# Altium PCB 测试样板PCB.PcbDoc (part 3 of 5)
Units mil, origin at the board's own origin, x right, y up, seen from the top; angles counter-clockwise.
Board outline 3248.03 x 2802.03 mil, 2 copper layers (Top Layer, Bottom Layer); 76 components, 64 nets, 349 pads, 97 vias.
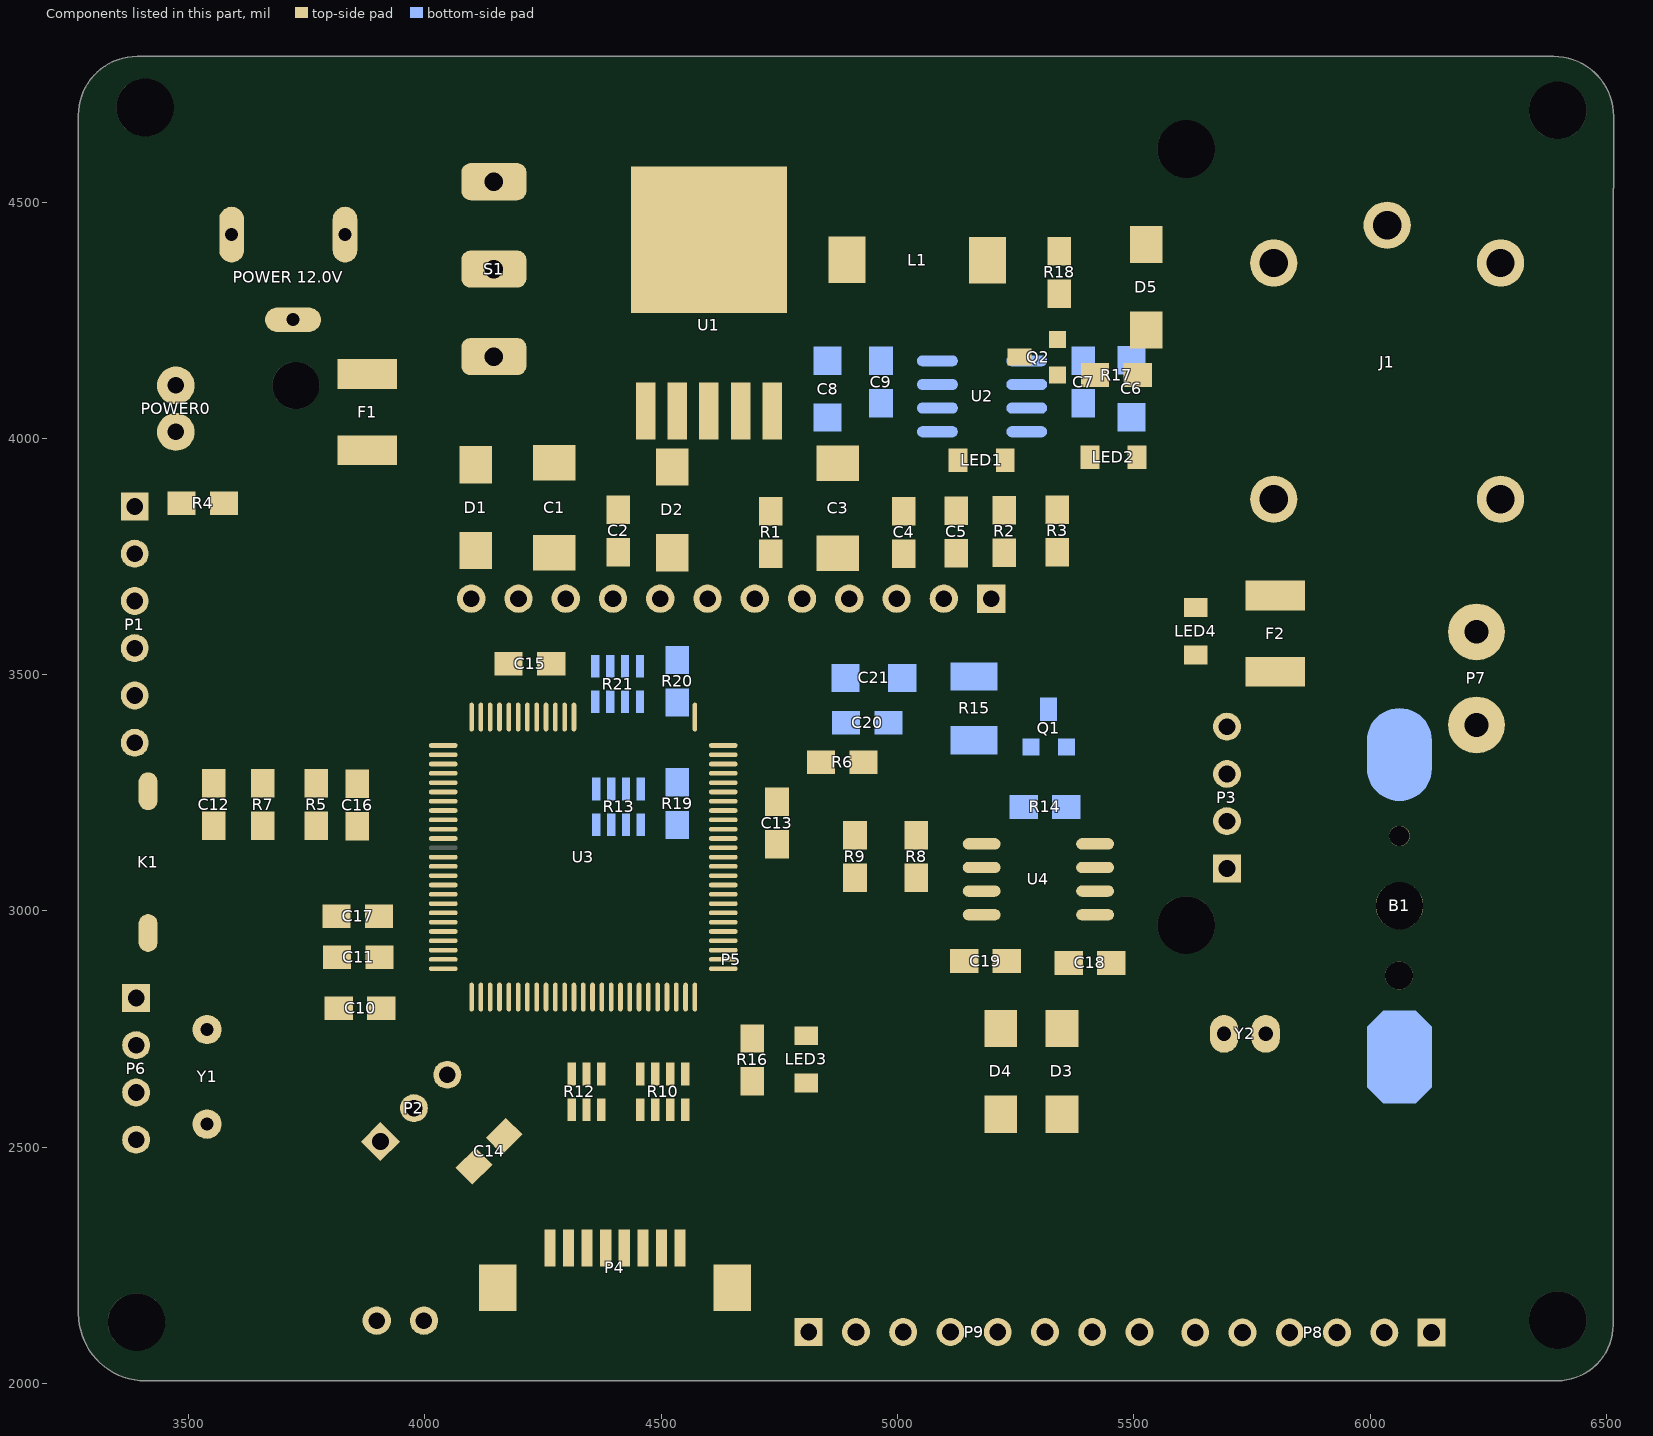
[diagram p3: the components of this part, seen from the top]

## Via types
v1: diameter 25, hole 13, Top Layer to Bottom Layer, 50 vias
v2: diameter 50, hole 28, Top Layer to Bottom Layer, 46 vias
v3: diameter 25, hole 3, Top Layer to Bottom Layer, 1 vias

## Nets (pads, with @x,y where several pads share a name; then routed paths per layer and width w, separated by ;. In a path a pad name is that pad's centre, name@x,y a point inside that pad or via, vN(x,y) a via of type N, cw(c..) or ccw(c..) an arc to the next point about the centre after c; other vN are vias at no path point) (continued)
copper on no net: (continued)
  Top Layer w0.8: 6005,2645.8 6009,2645.8 ; 6005,2646.6 6009.8,2646.6 ; 6005,2683.4 6009.8,2683.4 ; 6005,2684.2 6009.8,2684.2 ; 6005.8,2440.2 6010.6,2440.2 ; 6005.8,2441 6010.6,2441 ; 6005.8,2469 6010.6,2469 ; 6005.8,2469.8 6010.6,2469.8 ; 6005.8,2617 6009.8,2617 ; 6005.8,2617.8 6010.6,2617.8 ; 6005.8,2647.4 6009.8,2647.4 ; 6005.8,2648.2 6010.6,2648.2 ; 6005.8,2685 6012.2,2685 ; 6006.6,2381 6142.6,2381 ; 6006.6,2381.8 6142.6,2381.8 ; 6006.6,2438.6 6011.4,2438.6 ; 6006.6,2439.4 6011.4,2439.4 ; 6006.6,2468.2 6011.4,2468.2 ; 6006.6,2618.6 6011.4,2618.6 ; 6006.6,2619.4 6011.4,2619.4 ; 6006.6,2649 6010.6,2649 ; 6006.6,2649.8 6011.4,2649.8 ; 6006.6,2685.8 6030.6,2685.8 ; 6006.6,2686.6 6025.8,2686.6 ; 6007.4,2380.2 6141.8,2380.2 ; 6007.4,2437.8 6012.2,2437.8 ; 6007.4,2466.6 6012.2,2466.6 ; 6007.4,2467.4 6012.2,2467.4 ; 6007.4,2620.2 6012.2,2620.2 ; 6007.4,2650.6 6012.2,2650.6 ; 6007.4,2687.4 6032.2,2687.4 ; 6008.2,2420.2 6023.4,2420.2 ; 6008.2,2436.2 6013,2436.2 ; 6008.2,2437 6013,2437 ; 6008.2,2465.8 6013,2465.8 ; 6008.2,2621 6012.2,2621 ; 6008.2,2621.8 6013,2621.8 ; 6008.2,2651.4 6012.2,2651.4 ; 6008.2,2652.2 6013,2652.2 ; 6009,2421 6022.6,2421 ; 6009,2435.4 6013.8,2435.4 ; 6009,2464.2 6013.8,2464.2 ; 6009,2465 6013,2465 ; 6009,2622.6 6013.8,2622.6 ; 6009,2623.4 6013.8,2623.4 ; 6009,2653 6013,2653 ; 6009,2653.8 6013.8,2653.8 ; 6009.8,2433.8 6014.6,2433.8 ; 6009.8,2434.6 6014.6,2434.6 ; 6009.8,2462.6 6014.6,2462.6 ; 6009.8,2463.4 6014.6,2463.4 ; 6009.8,2624.2 6014.6,2624.2 ; 6009.8,2654.6 6013.8,2654.6 ; 6009.8,2655.4 6014.6,2655.4 ; 6010.6,2432.2 6015.4,2432.2 ; 6010.6,2433 6015.4,2433 ; 6010.6,2461.8 6015.4,2461.8 ; 6010.6,2625 6014.6,2625 ; 6010.6,2625.8 6015.4,2625.8 ; 6010.6,2656.2 6015.4,2656.2 ; 6010.6,2657 6015.4,2657 ; 6011.4,2431.4 6016.2,2431.4 ; 6011.4,2460.2 6016.2,2460.2 ; 6011.4,2461 6016.2,2461 ; 6011.4,2626.6 6015.4,2626.6 ; 6011.4,2627.4 6016.2,2627.4 ; 6011.4,2657.8 6016.2,2657.8 ; 6012.2,2429.8 6017,2429.8 ; 6012.2,2430.6 6017,2430.6 ; 6012.2,2459.4 6017,2459.4 ; 6012.2,2628.2 6017,2628.2 ; 6012.2,2629 6017,2629 ; 6012.2,2658.6 6016.2,2658.6 ; 6012.2,2659.4 6017,2659.4 ; 6013,2429 6017.8,2429 ; 6013,2457.8 6017.8,2457.8 ; 6013,2458.6 6017,2458.6 ; 6013,2629.8 6017.8,2629.8 ; 6013,2660.2 6017,2660.2 ; 6013,2661 6017.8,2661 ; 6013,2685 6030.6,2685 ; 6013.8,2427.4 6018.6,2427.4 ; 6013.8,2428.2 6017.8,2428.2 ; 6013.8,2456.2 6018.6,2456.2 ; 6013.8,2457 6018.6,2457 ; 6013.8,2630.6 6017.8,2630.6 ; 6013.8,2631.4 6018.6,2631.4 ; 6013.8,2661.8 6018.6,2661.8 ; 6013.8,2662.6 6018.6,2662.6 ; 6014.6,2421.8 6021.8,2421.8 ; 6014.6,2425.8 6019.4,2425.8 ; 6014.6,2426.6 6019.4,2426.6 ; 6014.6,2455.4 6019.4,2455.4 ; 6014.6,2632.2 6018.6,2632.2 ; 6014.6,2633 6019.4,2633 ; 6014.6,2663.4 6019.4,2663.4 ; 6015.4,2425 6020.2,2425 ; 6015.4,2453.8 6020.2,2453.8 ; 6015.4,2454.6 6020.2,2454.6 ; 6015.4,2633.8 6020.2,2633.8 ; 6015.4,2634.6 6020.2,2634.6 ; 6015.4,2664.2 6019.4,2664.2 ; 6015.4,2665 6020.2,2665 ; 6016.2,2423.4 6021,2423.4 ; 6016.2,2424.2 6021,2424.2 ; 6016.2,2453 6021,2453 ; 6016.2,2635.4 6021,2635.4 ; 6016.2,2665.8 6020.2,2665.8 ; 6016.2,2666.6 6021,2666.6 ; 6017,2422.6 6021.8,2422.6 ; 6017,2451.4 6021.8,2451.4 ; 6017,2452.2 6021,2452.2 ; 6017,2636.2 6021,2636.2 ; 6017,2637 6021.8,2637 ; 6017,2667.4 6021.8,2667.4 ; 6017,2668.2 6021.8,2668.2 ; 6017.8,2406.6 6025,2406.6 ; 6017.8,2449.8 6022.6,2449.8 ; 6017.8,2450.6 6022.6,2450.6 ; 6017.8,2637.8 6022.6,2637.8 ; 6017.8,2638.6 6022.6,2638.6 ; 6017.8,2669 6022.6,2669 ; 6018.6,2407.4 6021.8,2407.4 ; 6018.6,2449 6023.4,2449 ; 6018.6,2639.4 6023.4,2639.4 ; 6018.6,2640.2 6023.4,2640.2 ; 6018.6,2669.8 6022.6,2669.8 ; 6018.6,2670.6 6023.4,2670.6 ; 6019.4,2447.4 6024.2,2447.4 ; 6019.4,2448.2 6024.2,2448.2 ; 6019.4,2641 6024.2,2641 ; 6019.4,2671.4 6023.4,2671.4 ; 6019.4,2672.2 6024.2,2672.2 ; 6020.2,2417 6025,2417 ; 6020.2,2417.8 6024.2,2417.8 ; 6020.2,2446.6 6025,2446.6 ; 6020.2,2641.8 6024.2,2641.8 ; 6020.2,2642.6 6025,2642.6 ; 6020.2,2673 6025,2673 ; 6020.2,2673.8 6025,2673.8 ; 6020.2,2674.6 6025.8,2674.6 ; 6020.2,2675.4 6025.8,2675.4 ; 6021,2415.4 6025.8,2415.4 ; 6021,2416.2 6025.8,2416.2 ; 6021,2445 6025.8,2445 ; 6021,2445.8 6025,2445.8 ; 6021,2643.4 6025.8,2643.4 ; 6021,2644.2 6025.8,2644.2 ; 6021,2676.2 6026.6,2676.2 ; 6021.8,2414.6 6026.6,2414.6 ; 6021.8,2443.4 6026.6,2443.4 ; 6021.8,2444.2 6026.6,2444.2 ; 6021.8,2645 6026.6,2645 ; 6021.8,2677 6026.6,2677 ; 6021.8,2677.8 6026.6,2677.8 ; 6022.6,2413 6027.4,2413 ; 6022.6,2413.8 6027.4,2413.8 ; 6022.6,2442.6 6027.4,2442.6 ; 6022.6,2645.8 6026.6,2645.8 ; 6022.6,2646.6 6027.4,2646.6 ; 6022.6,2678.6 6026.6,2678.6 ; 6022.6,2679.4 6026.6,2679.4 ; 6023.4,2411.4 6028.2,2411.4 ; 6023.4,2412.2 6028.2,2412.2 ; 6023.4,2441 6028.2,2441 ; 6023.4,2441.8 6028.2,2441.8 ; 6023.4,2647.4 6027.4,2647.4 ; 6023.4,2648.2 6028.2,2648.2 ; 6023.4,2680.2 6027.4,2680.2 ; 6024.2,2402.6 6033.8,2402.6 ; 6024.2,2410.6 6029,2410.6 ; 6024.2,2440.2 6029,2440.2 ; 6024.2,2649 6029,2649 ; 6024.2,2649.8 6029,2649.8 ; 6024.2,2681 6028.2,2681 ; 6024.2,2681.8 6028.2,2681.8 ; 6025,2409 6029.8,2409 ; 6025,2409.8 6029.8,2409.8 ; 6025,2438.6 6029.8,2438.6 ; 6025,2439.4 6029,2439.4 ; 6025,2650.6 6029.8,2650.6 ; 6025,2682.6 6029,2682.6 ; 6025,2683.4 6029,2683.4 ; 6025.8,2408.2 6030.6,2408.2 ; 6025.8,2437 6030.6,2437 ; 6025.8,2437.8 6030.6,2437.8 ; 6025.8,2651.4 6029.8,2651.4 ; 6025.8,2652.2 6030.6,2652.2 ; 6025.8,2684.2 6029.8,2684.2 ; 6026.6,2406.6 6031.4,2406.6 ; 6026.6,2407.4 6031.4,2407.4 ; 6026.6,2436.2 6031.4,2436.2 ; 6026.6,2653 6030.6,2653 ; 6026.6,2653.8 6031.4,2653.8 ; 6026.6,2686.6 6031.4,2686.6 ; 6027.4,2401.8 6034.6,2401.8 ; 6027.4,2434.6 6032.2,2434.6 ; 6027.4,2435.4 6032.2,2435.4 ; 6027.4,2654.6 6032.2,2654.6 ; 6027.4,2655.4 6032.2,2655.4 ; 6028.2,2433.8 6033,2433.8 ; 6028.2,2656.2 6033,2656.2 ; 6028.2,2688.2 6032.2,2688.2 ; 6029,2432.2 6033.8,2432.2 ; 6029,2433 6033,2433 ; 6029,2657 6033,2657 ; 6029,2657.8 6033.8,2657.8 ; 6029,2689 6033,2689 ; 6029,2689.8 6033,2689.8 ; 6029.8,2430.6 6034.6,2430.6 ; 6029.8,2431.4 6034.6,2431.4 ; 6029.8,2658.6 6034.6,2658.6 ; 6029.8,2659.4 6034.6,2659.4 ; 6029.8,2690.6 6033.8,2690.6 ; 6030.6,2400.2 6035.4,2400.2 ; 6030.6,2401 6034.6,2401 ; 6030.6,2429.8 6035.4,2429.8 ; 6030.6,2617.8 6033.8,2617.8 ; 6030.6,2618.6 6033.8,2618.6 ; 6030.6,2619.4 6033,2619.4 ; 6030.6,2620.2 6033,2620.2 ; 6030.6,2621 6033,2621 ; 6030.6,2621.8 6036.2,2621.8 ; 6030.6,2622.6 6042.6,2622.6 ; 6030.6,2623.4 6048.2,2623.4 ; 6030.6,2660.2 6035.4,2660.2 ; 6030.6,2691.4 6034.6,2691.4 ; 6030.6,2692.2 6034.6,2692.2 ; 6031.4,2398.6 6036.2,2398.6 ; 6031.4,2399.4 6036.2,2399.4 ; 6031.4,2428.2 6036.2,2428.2 ; 6031.4,2429 6036.2,2429 ; 6031.4,2609 6034.6,2609 ; 6031.4,2609.8 6034.6,2609.8 ; 6031.4,2610.6 6033.8,2610.6 ; 6031.4,2611.4 6033.8,2611.4 ; 6031.4,2612.2 6033.8,2612.2 ; 6031.4,2613 6033.8,2613 ; 6031.4,2613.8 6033.8,2613.8 ; 6031.4,2614.6 6033.8,2614.6 ; 6031.4,2615.4 6033.8,2615.4 ; 6031.4,2616.2 6033.8,2616.2 ; 6031.4,2617 6033.8,2617 ; 6031.4,2661 6035.4,2661 ; 6031.4,2661.8 6036.2,2661.8 ; 6031.4,2693 6035.4,2693 ; 6032.2,2397.8 6037,2397.8 ; 6032.2,2427.4 6037,2427.4 ; 6032.2,2601 6035.4,2601 ; 6032.2,2601.8 6034.6,2601.8 ; 6032.2,2602.6 6034.6,2602.6 ; 6032.2,2603.4 6034.6,2603.4 ; 6032.2,2604.2 6034.6,2604.2 ; 6032.2,2605 6034.6,2605 ; 6032.2,2605.8 6034.6,2605.8 ; 6032.2,2606.6 6034.6,2606.6 ; 6032.2,2607.4 6034.6,2607.4 ; 6032.2,2608.2 6034.6,2608.2 ; 6032.2,2662.6 6036.2,2662.6 ; 6032.2,2663.4 6037,2663.4 ; 6032.2,2693.8 6035.4,2693.8 ; 6032.2,2694.6 6036.2,2694.6 ; 6033,2396.2 6037.8,2396.2 ; 6033,2397 6037.8,2397 ; 6033,2425.8 6037.8,2425.8 ; 6033,2426.6 6037,2426.6 ; 6033,2591.4 6036.2,2591.4 ; 6033,2592.2 6036.2,2592.2 ; 6033,2593 6035.4,2593 ; 6033,2593.8 6035.4,2593.8 ; 6033,2594.6 6035.4,2594.6 ; 6033,2595.4 6035.4,2595.4 ; 6033,2596.2 6035.4,2596.2 ; 6033,2597 6035.4,2597 ; 6033,2597.8 6035.4,2597.8 ; 6033,2598.6 6035.4,2598.6 ; 6033,2599.4 6035.4,2599.4 ; 6033,2600.2 6035.4,2600.2 ; 6033,2664.2 6037.8,2664.2 ; 6033,2665 6037.8,2665 ; 6033,2695.4 6037,2695.4 ; 6033,2696.2 6037,2696.2 ; 6033.8,2394.6 6038.6,2394.6 ; 6033.8,2395.4 6038.6,2395.4 ; 6033.8,2424.2 6038.6,2424.2 ; 6033.8,2425 6038.6,2425 ; 6033.8,2583.4 6037,2583.4 ; 6033.8,2584.2 6036.2,2584.2 ; 6033.8,2585 6036.2,2585 ; 6033.8,2585.8 6036.2,2585.8 ; 6033.8,2586.6 6036.2,2586.6 ; 6033.8,2587.4 6036.2,2587.4 ; 6033.8,2588.2 6036.2,2588.2 ; 6033.8,2589 6036.2,2589 ; 6033.8,2589.8 6036.2,2589.8 ; 6033.8,2590.6 6036.2,2590.6 ; 6033.8,2665.8 6038.6,2665.8 ; 6033.8,2697 6037.8,2697 ; 6034.6,2393.8 6039.4,2393.8 ; 6034.6,2423.4 6168.2,2423.4 ; 6034.6,2574.6 6037,2574.6 ; 6034.6,2575.4 6037,2575.4 ; 6034.6,2576.2 6037,2576.2 ; 6034.6,2577 6037,2577 ; 6034.6,2577.8 6037,2577.8 ; 6034.6,2578.6 6037,2578.6 ; 6034.6,2579.4 6037,2579.4 ; 6034.6,2580.2 6037,2580.2 ; 6034.6,2581 6037,2581 ; 6034.6,2581.8 6037,2581.8 ; 6034.6,2582.6 6037,2582.6 ; 6034.6,2666.6 6038.6,2666.6 ; 6034.6,2667.4 6039.4,2667.4 ; 6034.6,2697.8 6037.8,2697.8 ; 6034.6,2698.6 6038.6,2698.6 ; 6035.4,2392.2 6040.2,2392.2 ; 6035.4,2393 6040.2,2393 ; 6035.4,2421.8 6167.4,2421.8 ; 6035.4,2422.6 6168.2,2422.6 ; 6035.4,2565.8 6037.8,2565.8 ; 6035.4,2566.6 6037.8,2566.6 ; 6035.4,2567.4 6037.8,2567.4 ; 6035.4,2568.2 6037.8,2568.2 ; 6035.4,2569 6037.8,2569 ; 6035.4,2569.8 6037.8,2569.8 ; 6035.4,2570.6 6037.8,2570.6 ; 6035.4,2571.4 6037.8,2571.4 ; 6035.4,2572.2 6037.8,2572.2 ; 6035.4,2573 6037.8,2573 ; 6035.4,2573.8 6037.8,2573.8 ; 6035.4,2624.2 6054.6,2624.2 ; 6035.4,2668.2 6039.4,2668.2 ; 6035.4,2669 6040.2,2669 ; 6035.4,2699.4 6039.4,2699.4 ; 6035.4,2700.2 6039.4,2700.2 ; 6036.2,2391.4 6041,2391.4 ; 6036.2,2421 6166.6,2421 ; 6036.2,2556.2 6039.4,2556.2 ; 6036.2,2557 6039.4,2557 ; 6036.2,2557.8 6038.6,2557.8 ; 6036.2,2558.6 6038.6,2558.6 ; 6036.2,2559.4 6038.6,2559.4 ; 6036.2,2560.2 6038.6,2560.2 ; 6036.2,2561 6038.6,2561 ; 6036.2,2561.8 6038.6,2561.8 ; 6036.2,2562.6 6038.6,2562.6 ; 6036.2,2563.4 6038.6,2563.4 ; 6036.2,2564.2 6038.6,2564.2 ; 6036.2,2565 6038.6,2565 ; 6036.2,2669.8 6041,2669.8 ; 6036.2,2670.6 6041,2670.6 ; 6036.2,2701 6040.2,2701 ; 6037,2389.8 6041.8,2389.8 ; 6037,2390.6 6041,2390.6 ; 6037,2419.4 6041.8,2419.4 ; 6037,2420.2 6166.6,2420.2 ; 6037,2547.4 6040.2,2547.4 ; 6037,2548.2 6040.2,2548.2 ; 6037,2549 6039.4,2549 ; 6037,2549.8 6039.4,2549.8 ; 6037,2550.6 6039.4,2550.6 ; 6037,2551.4 6039.4,2551.4 ; 6037,2552.2 6039.4,2552.2 ; 6037,2553 6039.4,2553 ; 6037,2553.8 6039.4,2553.8 ; 6037,2554.6 6039.4,2554.6 ; 6037,2555.4 6039.4,2555.4 ; 6037,2671.4 6042.6,2671.4 ; 6037,2701.8 6040.2,2701.8 ; 6037,2702.6 6041,2702.6 ; 6037,2707.4 6038.6,2707.4 ; 6037.8,2388.2 6042.6,2388.2 ; 6037.8,2389 6042.6,2389 ; 6037.8,2417.8 6042.6,2417.8 ; 6037.8,2418.6 6042.6,2418.6 ; 6037.8,2538.6 6041,2538.6 ; 6037.8,2539.4 6041,2539.4 ; 6037.8,2540.2 6040.2,2540.2 ; 6037.8,2541 6040.2,2541 ; 6037.8,2541.8 6040.2,2541.8 ; 6037.8,2542.6 6040.2,2542.6 ; 6037.8,2543.4 6040.2,2543.4 ; 6037.8,2544.2 6040.2,2544.2 ; 6037.8,2545 6040.2,2545 ; 6037.8,2545.8 6040.2,2545.8 ; 6037.8,2546.6 6040.2,2546.6 ; 6037.8,2672.2 6043.4,2672.2 ; 6037.8,2673 6043.4,2673 ; 6037.8,2703.4 6041.8,2703.4 ; 6038.6,2387.4 6043.4,2387.4 ; 6038.6,2417 6043.4,2417 ; 6038.6,2530.6 6041,2530.6 ; 6038.6,2531.4 6041,2531.4 ; 6038.6,2532.2 6041,2532.2 ; 6038.6,2533 6041,2533 ; 6038.6,2533.8 6041,2533.8 ; 6038.6,2534.6 6041,2534.6 ; 6038.6,2535.4 6041,2535.4 ; 6038.6,2536.2 6041,2536.2 ; 6038.6,2537 6041,2537 ; 6038.6,2537.8 6041,2537.8 ; 6038.6,2673.8 6044.2,2673.8 ; 6038.6,2674.6 6044.2,2674.6 ; 6038.6,2704.2 6041.8,2704.2 ; 6038.6,2705 6042.6,2705 ; 6038.6,2705.8 6043.4,2705.8 ; 6039.4,2385.8 6044.2,2385.8 ; 6039.4,2386.6 6044.2,2386.6 ; 6039.4,2415.4 6044.2,2415.4 ; 6039.4,2416.2 6044.2,2416.2 ; 6039.4,2521 6079.4,2521 ; 6039.4,2521.8 6113.8,2521.8 ; 6039.4,2522.6 6042.6,2522.6 ; 6039.4,2523.4 6041.8,2523.4 ; 6039.4,2524.2 6041.8,2524.2 ; 6039.4,2525 6041.8,2525 ; 6039.4,2525.8 6041.8,2525.8 ; 6039.4,2526.6 6041.8,2526.6 ; 6039.4,2527.4 6041.8,2527.4 ; 6039.4,2528.2 6041.8,2528.2 ; 6039.4,2529 6041.8,2529 ; 6039.4,2529.8 6041.8,2529.8 ; 6039.4,2675.4 6045,2675.4 ; 6039.4,2676.2 6045,2676.2 ; 6039.4,2707.4 6044.2,2707.4 ; 6040.2,2384.2 6045,2384.2 ; 6040.2,2385 6045,2385 ; 6040.2,2414.6 6045,2414.6 ; 6040.2,2520.2 6043.4,2520.2 ; 6040.2,2677 6045.8,2677 ; 6041,2413 6045.8,2413 ; 6041,2413.8 6045,2413.8 ; 6041,2617.8 6060.2,2617.8 ; 6041,2618.6 6074.6,2618.6 ; 6041,2677.8 6046.6,2677.8 ; 6041,2678.6 6046.6,2678.6 ; 6041,2708.2 6044.2,2708.2 ; 6041,2709 6045,2709 ; 6041.8,2411.4 6046.6,2411.4 ; 6041.8,2412.2 6046.6,2412.2 ; 6041.8,2610.6 6045,2610.6 ; 6041.8,2611.4 6044.2,2611.4 ; 6041.8,2612.2 6044.2,2612.2 ; 6041.8,2613 6044.2,2613 ; 6041.8,2613.8 6044.2,2613.8 ; 6041.8,2614.6 6044.2,2614.6 ; 6041.8,2615.4 6044.2,2615.4 ; 6041.8,2616.2 6044.2,2616.2 ; 6041.8,2617 6045.8,2617 ; 6041.8,2625 6061,2625 ; 6041.8,2679.4 6047.4,2679.4 ; 6041.8,2709.8 6045.8,2709.8 ; 6041.8,2710.6 6045.8,2710.6 ; 6042.6,2410.6 6047.4,2410.6 ; 6042.6,2604.2 6045.8,2604.2 ; 6042.6,2605 6045,2605 ; 6042.6,2605.8 6045,2605.8 ; 6042.6,2606.6 6045,2606.6 ; 6042.6,2607.4 6045,2607.4 ; 6042.6,2608.2 6045,2608.2 ; 6042.6,2609 6045,2609 ; 6042.6,2609.8 6045,2609.8 ; 6042.6,2711.4 6046.6,2711.4 ; 6043.4,2379.4 6047.4,2379.4 ; 6043.4,2409 6048.2,2409 ; 6043.4,2409.8 6048.2,2409.8 ; 6043.4,2522.6 6140.2,2522.6 ; 6043.4,2597.8 6046.6,2597.8 ; 6043.4,2598.6 6045.8,2598.6 ; 6043.4,2599.4 6045.8,2599.4 ; 6043.4,2600.2 6045.8,2600.2 ; 6043.4,2601 6045.8,2601 ; 6043.4,2601.8 6045.8,2601.8 ; 6043.4,2602.6 6045.8,2602.6 ; 6043.4,2603.4 6045.8,2603.4 ; 6043.4,2712.2 6046.6,2712.2 ; 6043.4,2713 6047.4,2713 ; 6044.2,2378.6 6046.6,2378.6 ; 6044.2,2408.2 6049,2408.2 ; 6044.2,2591.4 6046.6,2591.4 ; 6044.2,2592.2 6046.6,2592.2 ; 6044.2,2593 6046.6,2593 ; 6044.2,2593.8 6046.6,2593.8 ; 6044.2,2594.6 6046.6,2594.6 ; 6044.2,2595.4 6046.6,2595.4 ; 6044.2,2596.2 6046.6,2596.2 ; 6044.2,2597 6046.6,2597 ; 6044.2,2680.2 6048.2,2680.2 ; 6044.2,2713.8 6048.2,2713.8 ; 6045,2406.6 6049.8,2406.6 ; 6045,2407.4 6049,2407.4 ; 6045,2584.2 6048.2,2584.2 ; 6045,2585 6047.4,2585 ; 6045,2585.8 6047.4,2585.8 ; 6045,2586.6 6047.4,2586.6 ; 6045,2587.4 6047.4,2587.4 ; 6045,2588.2 6047.4,2588.2 ; 6045,2589 6047.4,2589 ; 6045,2589.8 6047.4,2589.8 ; 6045,2590.6 6047.4,2590.6 ; 6045,2681 6048.2,2681 ; 6045,2681.8 6049,2681.8 ; 6045,2714.6 6048.2,2714.6 ; 6045,2715.4 6049,2715.4 ; 6045.8,2403.4 6156.2,2403.4 ; 6045.8,2404.2 6157,2404.2 ; 6045.8,2405 6157,2405 ; 6045.8,2405.8 6152.2,2405.8 ; 6045.8,2577 6049,2577 ; 6045.8,2577.8 6049,2577.8 ; 6045.8,2578.6 6048.2,2578.6 ; 6045.8,2579.4 6048.2,2579.4 ; 6045.8,2580.2 6048.2,2580.2 ; 6045.8,2581 6048.2,2581 ; 6045.8,2581.8 6048.2,2581.8 ; 6045.8,2582.6 6048.2,2582.6 ; 6045.8,2583.4 6048.2,2583.4 ; 6045.8,2619.4 6092.2,2619.4 ; 6045.8,2682.6 6049.8,2682.6 ; 6045.8,2683.4 6049.8,2683.4 ; 6045.8,2716.2 6049.8,2716.2 ; 6046.6,2402.6 6099.4,2402.6 ; 6046.6,2570.6 6121,2570.6 ; 6046.6,2571.4 6121.8,2571.4 ; 6046.6,2572.2 6122.6,2572.2 ; 6046.6,2573 6050.6,2573 ; 6046.6,2573.8 6124.2,2573.8 ; 6046.6,2574.6 6049.8,2574.6 ; 6046.6,2575.4 6049.8,2575.4 ; 6046.6,2576.2 6049,2576.2 ; 6046.6,2684.2 6050.6,2684.2 ; 6046.6,2717 6049.8,2717 ; 6046.6,2717.8 6050.6,2717.8 ; 6047.4,2564.2 6050.6,2564.2 ; 6047.4,2565 6065.8,2565 ; 6047.4,2565.8 6073,2565.8 ; 6047.4,2566.6 6081,2566.6 ; 6047.4,2567.4 6089,2567.4 ; 6047.4,2568.2 6097,2568.2 ; 6047.4,2569 6120.2,2569 ; 6047.4,2569.8 6120.2,2569.8 ; 6047.4,2685 6053.8,2685 ; 6047.4,2685.8 6135.4,2685.8 ; 6047.4,2718.6 6050.6,2718.6 ; 6047.4,2719.4 6051.4,2719.4 ; 6048.2,2401.8 6053,2401.8 ; 6048.2,2557.8 6051.4,2557.8 ; 6048.2,2558.6 6050.6,2558.6 ; 6048.2,2559.4 6050.6,2559.4 ; 6048.2,2560.2 6050.6,2560.2 ; 6048.2,2561 6050.6,2561 ; 6048.2,2561.8 6050.6,2561.8 ; 6048.2,2562.6 6050.6,2562.6 ; 6048.2,2563.4 6050.6,2563.4 ; 6048.2,2625.8 6067.4,2625.8 ; 6048.2,2686.6 6054.6,2686.6 ; 6048.2,2687.4 6053,2687.4 ; 6048.2,2720.2 6052.2,2720.2 ; 6049,2400.2 6053.8,2400.2 ; 6049,2401 6053,2401 ; 6049,2551.4 6052.2,2551.4 ; 6049,2552.2 6051.4,2552.2 ; 6049,2553 6051.4,2553 ; 6049,2553.8 6051.4,2553.8 ; 6049,2554.6 6051.4,2554.6 ; 6049,2555.4 6051.4,2555.4 ; 6049,2556.2 6051.4,2556.2 ; 6049,2557 6051.4,2557 ; 6049,2688.2 6053,2688.2 ; 6049,2689 6053,2689 ; 6049,2721 6052.2,2721 ; 6049,2721.8 6053,2721.8 ; 6049.8,2398.6 6054.6,2398.6 ; 6049.8,2399.4 6054.6,2399.4 ; 6049.8,2545 6053,2545 ; 6049.8,2545.8 6052.2,2545.8 ; 6049.8,2546.6 6052.2,2546.6 ; 6049.8,2547.4 6052.2,2547.4 ; 6049.8,2548.2 6052.2,2548.2 ; 6049.8,2549 6052.2,2549 ; 6049.8,2549.8 6052.2,2549.8 ; 6049.8,2550.6 6052.2,2550.6 ; 6049.8,2689.8 6053.8,2689.8 ; 6049.8,2722.6 6053.8,2722.6 ; 6049.8,2723.4 6053.8,2723.4 ; 6050.6,2397.8 6055.4,2397.8 ; 6050.6,2537.8 6053.8,2537.8 ; 6050.6,2538.6 6053.8,2538.6 ; 6050.6,2539.4 6053,2539.4 ; 6050.6,2540.2 6053,2540.2 ; 6050.6,2541 6053,2541 ; 6050.6,2541.8 6053,2541.8 ; 6050.6,2542.6 6053,2542.6 ; 6050.6,2543.4 6053,2543.4 ; 6050.6,2544.2 6053,2544.2 ; 6050.6,2575.4 6052.2,2575.4 ; 6050.6,2577 6051.4,2577 ; 6050.6,2690.6 6054.6,2690.6 ; 6050.6,2724.2 6054.6,2724.2 ; 6051.4,2357 6055.4,2357 ; 6051.4,2396.2 6056.2,2396.2 ; 6051.4,2397 6056.2,2397 ; 6051.4,2532.2 6054.6,2532.2 ; 6051.4,2533 6060.2,2533 ; 6051.4,2533.8 6065.8,2533.8 ; 6051.4,2534.6 6071.4,2534.6 ; 6051.4,2535.4 6053.8,2535.4 ; 6051.4,2536.2 6053.8,2536.2 ; 6051.4,2537 6053.8,2537 ; 6051.4,2573 6123.4,2573 ; 6051.4,2574.6 6125.8,2574.6 ; 6051.4,2691.4 6054.6,2691.4 ; 6051.4,2692.2 6055.4,2692.2 ; 6051.4,2725 6054.6,2725 ; 6051.4,2725.8 6055.4,2725.8 ; 6052.2,2355.4 6056.2,2355.4 ; 6052.2,2356.2 6055.4,2356.2 ; 6052.2,2395.4 6057,2395.4 ; 6052.2,2564.2 6057.8,2564.2 ; 6052.2,2576.2 6125.8,2576.2 ; 6052.2,2577 6126.6,2577 ; 6052.2,2577.8 6127.4,2577.8 ; 6052.2,2693 6056.2,2693 ; 6052.2,2693.8 6056.2,2693.8 ; 6052.2,2726.6 6056.2,2726.6 ; 6053,2353.8 6057,2353.8 ; 6053,2354.6 6057,2354.6 ; 6053,2393.8 6057.8,2393.8 ; 6053,2394.6 6057,2394.6 ; 6053,2575.4 6125.8,2575.4 ; 6053,2578.6 6128.2,2578.6 ; 6053,2579.4 6053.8,2579.4 ; 6053,2694.6 6057,2694.6 ; 6053,2727.4 6056.2,2727.4 ; 6053,2728.2 6057,2728.2 ; 6053.8,2353 6057.8,2353 ; 6053.8,2392.2 6058.6,2392.2 ; 6053.8,2393 6058.6,2393 ; 6053.8,2581 6055.4,2581 ; 6053.8,2687.4 6139.4,2687.4 ; 6053.8,2695.4 6057,2695.4 ; 6053.8,2696.2 6057.8,2696.2 ; 6053.8,2729 6057.8,2729 ; 6053.8,2729.8 6057.8,2729.8 ; 6054.6,2351.4 6058.6,2351.4 ; 6054.6,2352.2 6057.8,2352.2 ; 6054.6,2391.4 6059.4,2391.4 ; 6054.6,2582.6 6055.4,2582.6 ; 6054.6,2626.6 6073.8,2626.6 ; 6054.6,2685 6145.8,2685 ; 6054.6,2697 6058.6,2697 ; 6054.6,2697.8 6058.6,2697.8 ; 6054.6,2730.6 6058.6,2730.6 ; 6055.4,2350.6 6059.4,2350.6 ; 6055.4,2389.8 6060.2,2389.8 ; 6055.4,2390.6 6060.2,2390.6 ; 6055.4,2579.4 6129,2579.4 ; 6055.4,2580.2 6129.8,2580.2 ; 6055.4,2581.8 6131.4,2581.8 ; 6055.4,2583.4 6056.2,2583.4 ; 6055.4,2686.6 6145,2686.6 ; 6055.4,2698.6 6059.4,2698.6 ; 6055.4,2731.4 6058.6,2731.4 ; 6055.4,2732.2 6059.4,2732.2 ; 6056.2,2349 6060.2,2349 ; 6056.2,2349.8 6059.4,2349.8 ; 6056.2,2389 6061,2389 ; 6056.2,2581 6130.6,2581 ; 6056.2,2582.6 6133.8,2582.6 ; 6056.2,2699.4 6059.4,2699.4 ; 6056.2,2700.2 6060.2,2700.2 ; 6056.2,2733 6060.2,2733 ; 6056.2,2733.8 6060.2,2733.8 ; 6057,2347.4 6061,2347.4 ; 6057,2348.2 6061,2348.2 ; 6057,2387.4 6061.8,2387.4 ; 6057,2388.2 6061,2388.2 ; 6057,2583.4 6134.6,2583.4 ; 6057,2584.2 6057.8,2584.2 ; 6057,2585.8 6057.8,2585.8 ; 6057,2701 6061,2701 ; 6057,2734.6 6061,2734.6 ; 6057.8,2346.6 6061.8,2346.6 ; 6057.8,2385.8 6062.6,2385.8 ; 6057.8,2386.6 6062.6,2386.6 ; 6057.8,2701.8 6061,2701.8 ; 6057.8,2702.6 6061.8,2702.6 ; 6057.8,2735.4 6061,2735.4 ; 6057.8,2736.2 6061.8,2736.2 ; 6058.6,2345 6062.6,2345 ; 6058.6,2345.8 6061.8,2345.8 ; 6058.6,2361.8 6121.8,2361.8 ; 6058.6,2385 6063.4,2385 ; 6058.6,2584.2 6134.6,2584.2 ; 6058.6,2585 6085,2585 ; 6058.6,2703.4 6062.6,2703.4 ; 6058.6,2704.2 6062.6,2704.2 ; 6058.6,2737 6062.6,2737 ; 6058.6,2737.8 6062.6,2737.8 ; 6059.4,2344.2 6062.6,2344.2 ; 6059.4,2384.2 6064.2,2384.2 ; 6059.4,2535.4 6077,2535.4 ; 6059.4,2585.8 6085,2585.8 ; 6059.4,2705 6063.4,2705 ; 6059.4,2738.6 